# Allegro board SDHCalFEB_old.brd
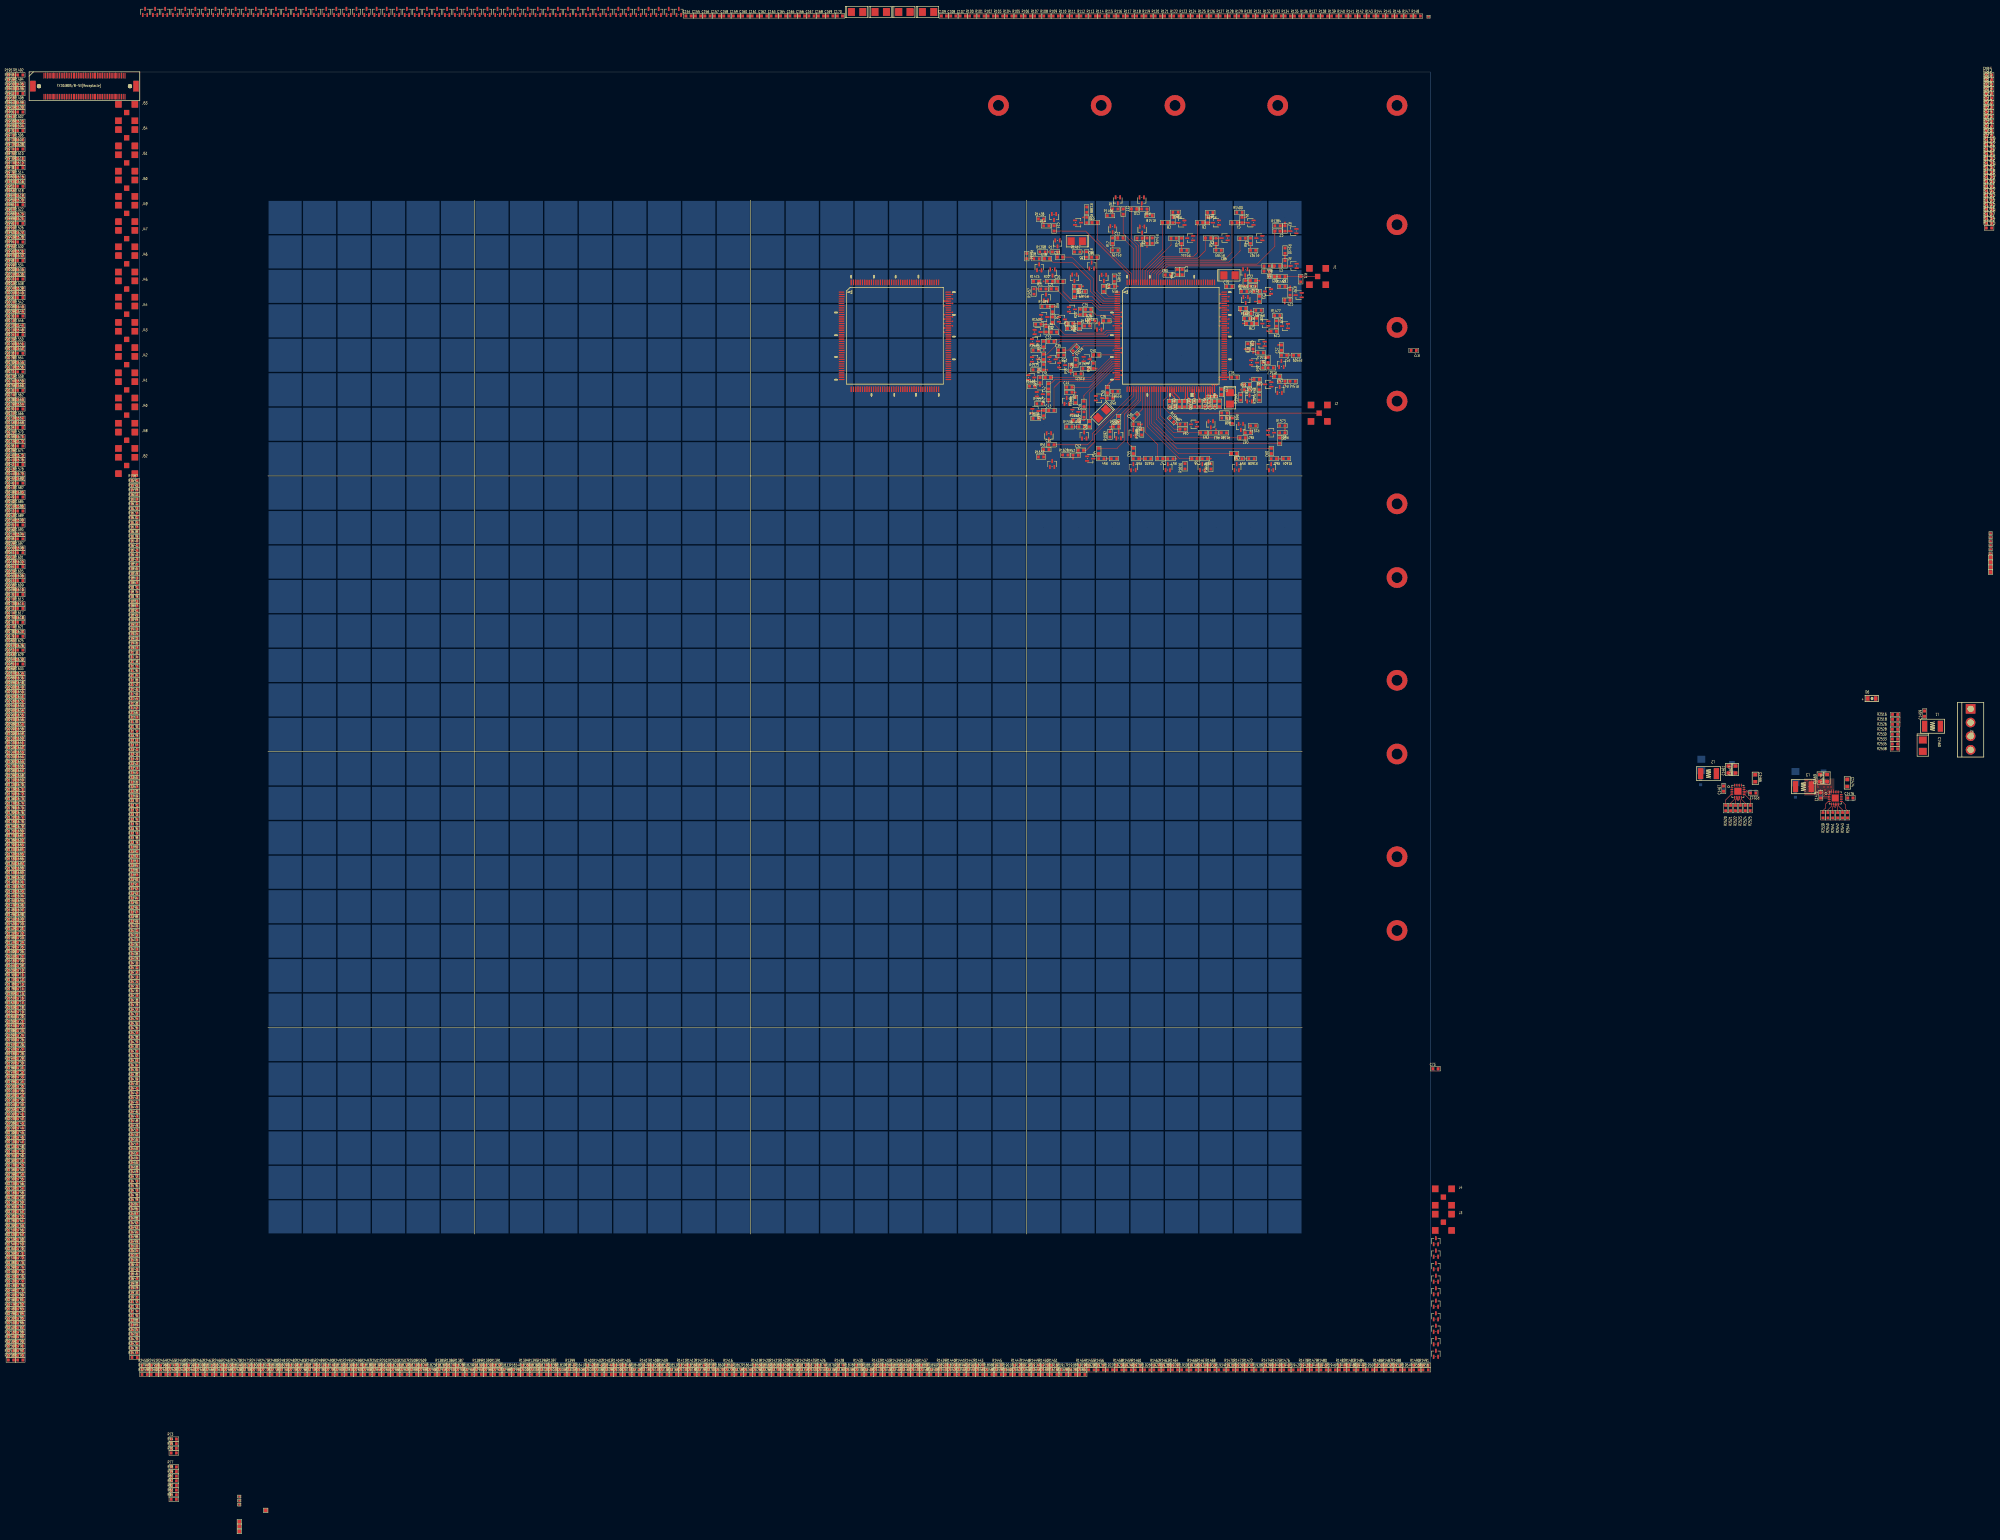
[diagram p0: board, top side]
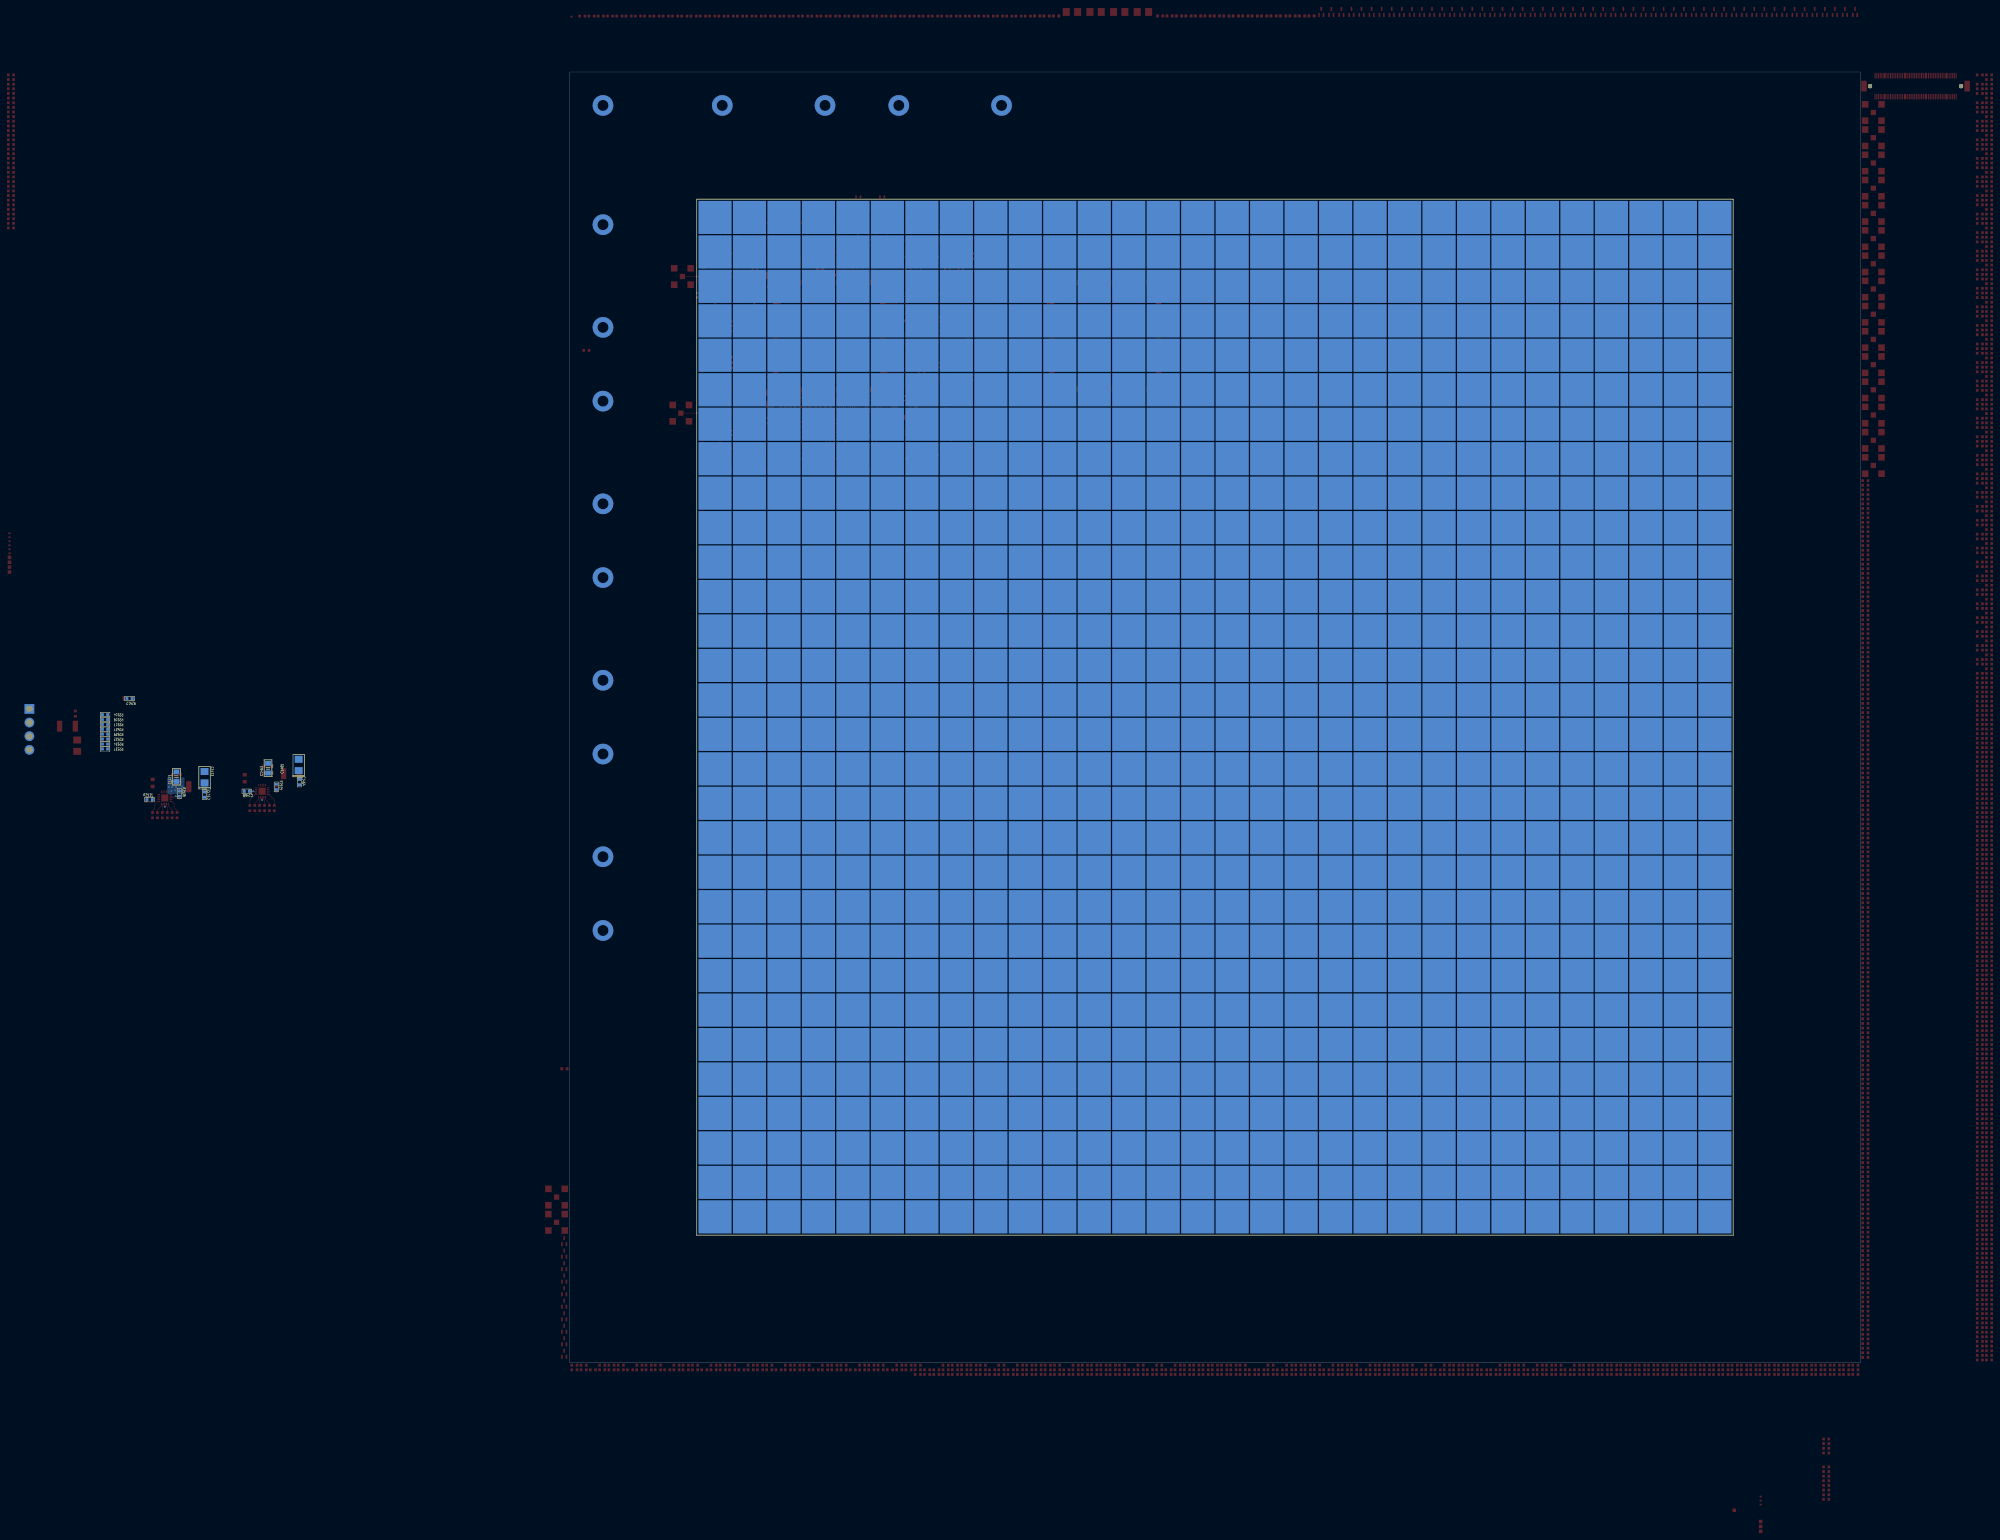
[diagram p1: board, bottom side, seen from below]

Outline 374.4 x 374.4 mm; copper layers: TOP, GND1, POWER1, SIG1, SIG2, GND2, POWER2, SIG3, GND3, BOTTOM. Coordinates in mm from the lower left corner of the outline.
Outline path: 0,374.4 0,0 374.4,0 374.4,374.4 0,374.4

## Design rules (mm)
net group ANALOGIN: nets ANALOGIN N1665546130
net group CK_5: nets CK_5N CK_5P
net group CK_40: nets CK_40N CK_40P
net group CLK_5_A: nets CK_5N_A CK_5P_A
net group CLK_5_B: nets CK_5N_B CK_5P_B
net group CLK_5_C: nets CK_5N_C CK_5P_C
net group CLK_5_D: nets CK_5N_D CK_5P_D
net group CLK_40_A: nets CK_40N_A CK_40P_A
net group CLK_40_B: nets CK_40N_B CK_40P_B
net group CLK_40_C: nets CK_40N_C CK_40P_C
net group CLK_40_D: nets CK_40N_D CK_40P_D
net group OUTHV: nets N16632302 OUTHV
net group RAZ_CHN: nets RAZ_CHNN RAZ_CHNP
net group RAZ_CHN_A: nets RAZ_CHNN_A RAZ_CHNP_A
net group RAZ_CHN_B: nets RAZ_CHNN_B RAZ_CHNP_B
net group RAZ_CHN_C: nets RAZ_CHNN_C RAZ_CHNP_C
net group RAZ_CHN_D: nets RAZ_CHNN_D RAZ_CHNP_D
net group VAL_EVT: nets VAL_EVTN VAL_EVTP
net group VAL_EVT_A: nets VAL_EVTN_A VAL_EVTP_A
net group VAL_EVT_B: nets VAL_EVTN_B VAL_EVTP_B
net group VAL_EVT_C: nets VAL_EVTN_C VAL_EVTP_C
net group VAL_EVT_D: nets VAL_EVTN_D VAL_EVTP_D
net group REF_2.5V: nets REF_2.5V V_BG_A V_BG_B V_BG_C V_BG_D
net group VCC5.0V_CON_IN: nets N16629690 N16629718 N16632314 N16632330 N16632396 N16632400 N16654329 N16654333 VCC5.0V_CON_IN

## Placement (name value [footprint] x y rotation side)
C1  10nF  [SC0603]  329.91 318.13 180 top
C2  10nF  [SC0603]  330.04 328.23 180 top
C3  10nF  [SC0603]  319.93 326.18 180 top
C4  10nF  [SC0603]  317.59 330.67 180 top
C5  10nF  [SC0603]  309.89 326.21 180 top
C6  10nF  [SC0603]  307.58 330.67 180 top
C7  10nF  [SC0603]  299.91 326.17 180 top
C8  10nF  [SC0603]  297.42 330.68 180 top
C9  10nF  [SC0603]  290.03 326.22 180 top
C10  10nF  [SC0603]  288.43 334.64 180 top
C11  10nF  [SC0603]  285.25 333.9 270 top
C12  10nF  [SC0603]  284.47 326.23 0 top
C13  10nF  [SC0603]  277 330.69 0 top
C14  10nF  [SC0603]  265.22 329.02 270 top
C15  10nF  [SC0603]  279.66 311.44 270 top
C16  10nF  [SC0603]  276.9 320.67 0 top
C17  10nF  [SC0603]  266.97 320.7 0 top
C18  10nF  [SC0603]  263.18 320.21 0 top
C19  10nF  [SC0603]  271.12 309.97 270 top
C20  10nF  [SC0603]  267.07 313.67 0 top
C21  10nF  [SC0603]  265.14 311.45 0 top
C22  10nF  [SC0603]  322.92 313.85 0 top
C23  10nF  [SC0603]  324.76 308.55 270 top
C24  10nF  [SC0603]  332.91 308.2 180 top
C25  10nF  [SC0603]  275.12 305.55 0 top
C26  10nF  [SC0603]  280.36 302.21 0 top
C27  10nF  [SC0603]  320.05 305.77 180 top
C28  10nF  [SC0603]  321.78 301.42 180 top
C29  10nF  [SC0603]  328.94 299.2 180 top
C30  10nF  [SC0603]  269.86 299.99 0 top
C31  10nF  [SC0603]  264.77 302.55 270 top
C32  10nF  [SC0603]  265.19 298.95 0 top
C33  10nF  [SC0603]  264.45 296.22 0 top
C34  10nF  [SC0603]  262.19 291.76 90 top
C35  10nF  [SC0603]  267.25 293.7 0 top
C36  10nF  [SC0603]  271.56 290.08 90 top
C37  10nF  [SC0603]  331.19 294.45 90 top
C38  10nF  [SC0603]  321.45 294.78 270 top
C39  10nF  [SC0603]  327.28 290.87 90 top
C40  10nF  [SC0603]  277.43 292.31 0 top
C41  10nF  [SC0603]  263.41 285.74 0 top
C42  10nF  [SC0603]  263.6 283.17 90 top
C43  10nF  [SC0603]  264.45 276.19 0 top
C44  10nF  [SC0603]  269.66 282.93 0 top
C45  10nF  [SC0603]  273.9 278.09 90 top
C46  10nF  [SC0603]  275.48 272.22 90 top
C47  10nF  [SC0603]  329.91 286.11 180 top
C48  10nF  [SC0603]  323.99 285.21 180 top
C49  10nF  [SC0603]  321.15 283.7 180 top
C50  10nF  [SC0603]  280.68 282.05 90 top
C51  10nF  [SC0603]  264.48 266.22 0 top
C52  10nF  [SC0603]  273.01 264.66 0 top
C53  10nF  [SC0603]  283.97 273.7 90 top
C54  10nF  [SC0603]  278.19 264.45 90 top
C55  10nF  [SC0603]  288.21 264.45 90 top
C56  10nF  [SC0603]  288.73 274.48 45 top
C57  10nF  [SC0603]  296.02 262.2 180 top
C58  10nF  [SC0603]  305.96 262.19 180 top
C59  10nF  [SC0603]  317.44 263.7 180 top
C60  10nF  [SC0603]  328.21 264.45 90 top
C61  10nF  [SC0603]  330.67 267.47 270 top
C62  10nF  [SC0603]  319.93 268.25 180 top
C63  10nF  [SC0603]  308.45 269.71 180 top
C64  10nF  [SC0603]  302.5 270.76 180 top
C65  10pF 1%  [SC0603]  328.41 315.06 180 top
C66  10pF 1%  [SC0603]  331.46 315.04 180 top
C67  0.1uF  [SC0603]  300.18 278.06 90 top
C68  0.1uF  [SC0603]  301.62 278.06 90 top
C69  0.1uF  [SC0603]  306.05 278.08 90 top
C70  0.1uF  [SC0603]  302.37 316.35 270 top
C71  0.1uF  [SC0603]  313.19 278.11 90 top
C72  0.1uF  [SC0603]  310.38 278.11 90 top
C73  0.1uF  [SC0603]  375.87 85.16 0 top
C74  0.1uF  [SC0603]  311.78 278.11 90 top
C75  0.1uF  [SC0603]  316.06 312.14 0 top
C76  0.1uF  [SC0603]  317.55 285.83 0 top
C77  0.1uF  [SC0603]  313.76 281.58 270 top
C78  0.1uF  [SC0603]  300.96 316.36 90 top
C79  0.1uF  [SC0603]  308.96 278.1 270 top
C80  0.1uF  [SC0603]  298.23 315.5 0 top
C81  0.1uF  [SC0603]  298.72 278.05 270 top
C82  0.1uF  [SC0603]  303.03 278.05 270 top
C83  0.1uF  [SC0603]  304.59 278.08 270 top
C84  10uF  [STC3528]  279.15 275.24 225 top
C85  10uF  [STC3528]  271.8 325.29 180 top
C86  10uF  [STC3528]  316.11 315.4 0 top
C87  10uF  [STC3528]  316.24 279.7 270 top
C107  10nF  [SC0603]  238.76 390.66 0 top
C108  10nF  [SC0603]  236.02 390.66 0 top
C109  10nF  [SC0603]  233.27 390.66 0 top
C154  0.1uF  [SC0603]  159.21 390.66 0 top
C155  0.1uF  [SC0603]  161.95 390.66 0 top
C156  0.1uF  [SC0603]  164.69 390.66 0 top
C157  0.1uF  [SC0603]  167.44 390.66 0 top
C158  0.1uF  [SC0603]  170.18 390.66 0 top
C159  0.1uF  [SC0603]  172.92 390.66 0 top
C160  0.1uF  [SC0603]  175.67 390.66 0 top
C161  0.1uF  [SC0603]  178.41 390.66 0 top
C162  0.1uF  [SC0603]  181.15 390.66 0 top
C163  0.1uF  [SC0603]  183.9 390.66 0 top
C164  0.1uF  [SC0603]  186.64 390.66 0 top
C165  0.1uF  [SC0603]  189.38 390.66 0 top
C166  0.1uF  [SC0603]  192.13 390.66 0 top
C167  0.1uF  [SC0603]  194.87 390.66 0 top
C168  0.1uF  [SC0603]  197.61 390.66 0 top
C169  0.1uF  [SC0603]  200.36 390.66 0 top
C170  0.1uF  [SC0603]  203.1 390.66 0 top
C171  10uF  [STC3528]  208.1 391.82 0 top
C172  10uF  [STC3528]  214.96 391.82 0 top
C173  10uF  [STC3528]  221.82 391.82 0 top
C174  10uF  [STC3528]  228.68 391.82 0 top
C1459  0.1uF  [SC0603]  517.73 188.21 90 top
C1460  10uF  [STC3528]  517.19 178.92 270 top
C1461  10uF  [SC0805]  460.86 172 90 top
C1462  10uF  [SC0805]  462.86 172 90 top
C1463  47uF  [SC1206]  461.85 172.39 90 bottom
C1464  0.1uF  [SC0603]  452.75 168.35 270 bottom
C1465  10uF  [STC3528]  452.96 173.33 90 bottom
C1466  47uF  [SC0805]  468.6 169.47 270 top
C1467  0.1uF  [SC0603]  459.44 166.46 90 top
C1468  0.1uF  [SC0603]  468 165.71 0 bottom
C1469  10uF  [SC0805]  487.43 169.54 90 top
C1470  10uF  [SC0805]  489.43 169.54 90 top
C1471  47uF  [SC1206]  488.42 169.93 90 bottom
C1472  0.1uF  [SC0603]  480.26 164.72 270 bottom
C1473  10uF  [STC3528]  480.26 169.77 90 bottom
C1474  47uF  [SC0805]  495.3 168.1 270 top
C1475  0.1uF  [SC0603]  487.58 164.52 90 top
C1476  0.1uF  [SC0603]  496.18 163.75 0 top
D6  Green  [SD0805]  502.38 192.61 0 top
J1  -  [SMA_SMD]  341.66 315.06 0 top
J2  -  [SMA_SMD]  342.12 275.41 0 top
J3  -  [SMA_SMD]  378.16 40.63 0 top
J4  -  [SMA_SMD]  378.16 47.94 0 top
J40  SMA  [SMA_SMD]  -3.76 274.86 0 top
J41  SMA  [SMA_SMD]  -3.76 282.17 0 top
J42  SMA  [SMA_SMD]  -3.76 289.49 0 top
J43  SMA  [SMA_SMD]  -3.76 296.8 0 top
J44  SMA  [SMA_SMD]  -3.76 304.12 0 top
J45  SMA  [SMA_SMD]  -3.76 311.43 0 top
J46  SMA  [SMA_SMD]  -3.76 318.75 0 top
J47  SMA  [SMA_SMD]  -3.76 326.06 0 top
J48  SMA  [SMA_SMD]  -3.76 267.54 0 top
J49  SMA  [SMA_SMD]  -3.76 333.38 0 top
J50  SMA  [SMA_SMD]  -3.76 340.69 0 top
J51  SMA  [SMA_SMD]  -3.76 348.01 0 top
J52  SMA  [SMA_SMD]  -3.76 260.22 0 top
J53  SMA  [SMA_SMD]  -3.76 362.64 0 top
J54  SMA  [SMA_SMD]  -3.76 355.32 0 top
J55  DC Jack  [SIP-4P-156]  531.06 183.65 270 top
L1  10uH  [SL1812]  520.02 184.57 180 top
L2  10uH  [SL1812]  455.05 170.8 180 top
L3  10uH  [SL1812]  482.56 167.02 180 top
NOREF  -  []  374.4 0 90 top
NOREF#2  -  []  0 374.4 0 top
P1  Pad30x30V2  [PADREADOUTARRAY1V1]  337.2 37.2 180 bottom
R1  100  [SR0603]  332.2 318.89 270 top
R2  100  [SR0603]  332.2 329 270 top
R3  100  [SR0603]  322.2 325.43 90 top
R4  100  [SR0603]  319.76 331.44 270 top
R5  100  [SR0603]  312.19 325.44 90 top
R6  100  [SR0603]  309.76 331.43 270 top
R7  100  [SR0603]  302.21 325.41 90 top
R8  100  [SR0603]  299.7 331.43 270 top
R9  100  [SR0603]  292.2 325.46 90 top
R10  100  [SR0603]  291.44 334.65 180 top
R11  100  [SR0603]  282.96 334.67 0 top
R12  100  [SR0603]  282.2 325.45 90 top
R13  100  [SR0603]  274.7 331.44 270 top
R14  100  [SR0603]  262.94 329.76 0 top
R15  100  [SR0603]  281.94 312.2 180 top
R16  100  [SR0603]  274.65 321.43 270 top
R17  100  [SR0603]  265.46 322.19 0 top
R18  100  [SR0603]  260.15 320.21 0 top
R19  100  [SR0603]  271.9 312.2 180 top
R20  100  [SR0603]  264.04 313.66 0 top
R21  100  [SR0603]  262.13 311.45 0 top
R22  100  [SR0603]  320.68 313.08 90 top
R23  100  [SR0603]  324.01 310.71 0 top
R24  100  [SR0603]  333.68 310.43 270 top
R25  100  [SR0603]  272.85 304.78 90 top
R26  100  [SR0603]  276.33 302.2 0 top
R27  100  [SR0603]  321.59 304.3 180 top
R28  100  [SR0603]  323.97 302.18 270 top
R29  100  [SR0603]  329.71 301.44 270 top
R30  100  [SR0603]  269.87 301.45 180 top
R31  100  [SR0603]  264.77 305.58 270 top
R32  100  [SR0603]  262.94 299.72 270 top
R33  100  [SR0603]  262.18 295.46 90 top
R34  100  [SR0603]  262.18 288.75 90 top
R35  100  [SR0603]  267.25 292.26 180 top
R36  100  [SR0603]  270.06 288.55 90 top
R37  100  [SR0603]  331.95 292.21 180 top
R38  100  [SR0603]  322.94 294.77 90 top
R39  100  [SR0603]  325.76 289.34 90 top
R40  100  [SR0603]  276.61 289.13 90 top
R41  100  [SR0603]  261.17 284.99 90 top
R42  100  [SR0603]  263.61 280.14 90 top
R43  100  [SR0603]  262.18 275.42 90 top
R44  100  [SR0603]  269.67 281.46 180 top
R45  100  [SR0603]  273.89 275.04 90 top
R46  100  [SR0603]  273.21 271.45 0 top
R47  100  [SR0603]  331.43 284.65 180 top
R48  100  [SR0603]  324.74 282.97 90 top
R49  100  [SR0603]  321.14 282.2 0 top
R50  100  [SR0603]  281.44 279.75 180 top
R51  100  [SR0603]  262.95 264.82 0 top
R52  100  [SR0603]  271.49 263.2 0 top
R53  100  [SR0603]  283.2 271.45 0 top
R54  100  [SR0603]  278.96 262.2 180 top
R55  100  [SR0603]  288.99 262.2 180 top
R56  100  [SR0603]  288.96 272.21 180 top
R57  100  [SR0603]  298.97 262.2 180 top
R58  100  [SR0603]  308.98 262.2 180 top
R59  100  [SR0603]  318.96 262.2 180 top
R60  100  [SR0603]  328.97 262.2 180 top
R61  100  [SR0603]  331.43 269.72 180 top
R62  100  [SR0603]  321.45 269.74 180 top
R63  100  [SR0603]  311.44 269.69 180 top
R64  100  [SR0603]  302.5 272.19 0 top
R65  0  [SR0603]  326.89 318.13 180 top
R66  x  [SR0603]  326.89 316.58 180 top
R67  x  [SR0603]  307.5 278.09 270 top
R68  0  [SR0603]  314.64 273.99 180 top
R69  x  [SR0603]  316.89 273.22 270 top
R70  x  [SR0603]  314.64 275.43 180 top
R71  50  [SR0603]  336.78 314.29 270 top
R72  50  [SR0603]  369.53 293.62 180 top
R73  x  [SR0603]  9.92 -22.27 0 top
R74  x  [SR0603]  9.92 -23.62 0 top
R75  x  [SR0603]  9.92 -24.96 0 top
R76  x  [SR0603]  9.92 -26.31 0 top
R77  10k  [SR0603]  9.92 -30.35 0 top
R78  10k  [SR0603]  9.92 -31.7 0 top
R79  10k  [SR0603]  9.92 -33.04 0 top
R80  10k  [SR0603]  9.92 -34.39 0 top
R81  10k  [SR0603]  9.92 -35.73 0 top
R82  10k  [SR0603]  9.92 -37.08 0 top
R83  10k  [SR0603]  9.92 -38.43 0 top
R84  10k  [SR0603]  9.92 -39.77 0 top
R85  100  [SR0603]  536.42 373.56 0 top
R86  100  [SR0603]  536.42 372.22 0 top
R87  100  [SR0603]  536.42 370.87 0 top
R88  100  [SR0603]  536.42 369.52 0 top
R89  100  [SR0603]  536.42 368.18 0 top
R90  100  [SR0603]  536.42 366.83 0 top
R91  100  [SR0603]  536.42 365.48 0 top
R92  100  [SR0603]  536.42 364.14 0 top
R93  100  [SR0603]  536.42 362.79 0 top
R94  100  [SR0603]  536.42 361.45 0 top
R95  100  [SR0603]  536.42 360.1 0 top
R96  100  [SR0603]  536.42 358.75 0 top
R97  100  [SR0603]  536.42 357.41 0 top
R98  100  [SR0603]  536.42 356.06 0 top
R99  100  [SR0603]  536.42 354.71 0 top
R100  100  [SR0603]  241.48 390.63 0 top
R101  100  [SR0603]  244.17 390.63 0 top
R102  100  [SR0603]  246.86 390.63 0 top
R103  100  [SR0603]  249.56 390.63 0 top
R104  100  [SR0603]  252.25 390.63 0 top
R105  100  [SR0603]  254.94 390.63 0 top
R106  100  [SR0603]  257.63 390.63 0 top
R107  100  [SR0603]  260.32 390.63 0 top
R108  100  [SR0603]  263.02 390.63 0 top
R109  100  [SR0603]  265.71 390.63 0 top
R110  100  [SR0603]  268.4 390.63 0 top
R111  100  [SR0603]  271.09 390.63 0 top
R112  100  [SR0603]  273.79 390.63 0 top
R113  100  [SR0603]  276.48 390.63 0 top
R114  100  [SR0603]  279.17 390.63 0 top
R115  100  [SR0603]  281.86 390.63 0 top
R116  100  [SR0603]  284.56 390.63 0 top
R117  100  [SR0603]  287.25 390.63 0 top
R118  100  [SR0603]  289.94 390.63 0 top
R119  100  [SR0603]  292.63 390.63 0 top
R120  100  [SR0603]  295.33 390.63 0 top
R121  100  [SR0603]  298.02 390.63 0 top
R122  100  [SR0603]  300.71 390.63 0 top
R123  100  [SR0603]  303.4 390.63 0 top
R124  100  [SR0603]  306.1 390.63 0 top
R125  100  [SR0603]  308.79 390.63 0 top
R126  100  [SR0603]  311.48 390.63 0 top
R127  100  [SR0603]  314.17 390.63 0 top
R128  100  [SR0603]  316.87 390.63 0 top
R129  100  [SR0603]  319.56 390.63 0 top
R130  100  [SR0603]  322.25 390.63 0 top
R131  100  [SR0603]  324.94 390.63 0 top
R132  100  [SR0603]  327.63 390.63 0 top
R133  100  [SR0603]  330.33 390.63 0 top
R134  100  [SR0603]  333.02 390.63 0 top
R135  100  [SR0603]  335.71 390.63 0 top
R136  100  [SR0603]  338.4 390.63 0 top
R137  100  [SR0603]  341.1 390.63 0 top
R138  100  [SR0603]  343.79 390.63 0 top
R139  100  [SR0603]  346.48 390.63 0 top
R140  100  [SR0603]  349.17 390.63 0 top
R141  100  [SR0603]  351.87 390.63 0 top
R142  100  [SR0603]  354.56 390.63 0 top
R143  100  [SR0603]  357.25 390.63 0 top
R144  100  [SR0603]  359.94 390.63 0 top
R145  100  [SR0603]  362.64 390.63 0 top
R146  100  [SR0603]  365.33 390.63 0 top
R147  100  [SR0603]  368.02 390.63 0 top
R148  100  [SR0603]  370.71 390.63 0 top
R149  0  [SR0603]  536.42 353.37 0 top
R150  x  [SR0603]  536.42 350.68 0 top
R151  x  [SR0603]  536.42 349.33 0 top
R152  0  [SR0603]  536.42 352.02 0 top
R153  x  [SR0603]  536.42 347.98 0 top
R154  50  [SR0603]  536.42 330.48 0 top
R155  50  [SR0603]  536.42 329.14 0 top
R156  x  [SR0603]  536.42 346.64 0 top
R157  x  [SR0603]  536.42 345.29 0 top
R158  x  [SR0603]  536.42 343.95 0 top
R159  x  [SR0603]  536.42 342.6 0 top
R160  x  [SR0603]  536.42 341.25 0 top
R161  x  [SR0603]  536.42 339.91 0 top
R162  x  [SR0603]  536.42 338.56 0 top
R163  x  [SR0603]  536.42 337.21 0 top
R164  x  [SR0603]  536.42 335.87 0 top
R165  x  [SR0603]  536.42 334.52 0 top
R166  x  [SR0603]  536.42 333.18 0 top
R167  x  [SR0603]  536.42 331.83 0 top
R1384  1M  [SR0603]  330.05 329.77 0 top
R1385  1M  [SR0603]  87.6 -0.84 0 top
R1386  1M  [SR0603]  90.3 -0.84 0 top
R1387  1M  [SR0603]  92.99 -0.84 0 top
R1388  1M  [SR0603]  274.7 334.47 270 top
R1389  1M  [SR0603]  98.37 -0.84 0 top
R1390  1M  [SR0603]  101.07 -0.84 0 top
R1391  1M  [SR0603]  103.76 -0.84 0 top
R1392  1M  [SR0603]  322.96 322.66 180 top
R1393  1M  [SR0603]  312.95 322.66 180 top
R1394  1M  [SR0603]  111.84 -0.84 0 top
R1395  1M  [SR0603]  114.53 -0.84 0 top
R1396  1M  [SR0603]  117.22 -0.84 0 top
R1397  1M  [SR0603]  119.91 -0.84 0 top
R1398  1M  [SR0603]  261.87 322.2 0 top
R1399  1M  [SR0603]  125.3 -0.84 0 top
R1400  1M  [SR0603]  319 333.63 0 top
R1401  1M  [SR0603]  130.68 -0.84 0 top
R1402  1M  [SR0603]  133.38 -0.84 0 top
R1403  1M  [SR0603]  136.07 -0.84 0 top
R1404  1M  [SR0603]  138.76 -0.84 0 top
R1405  1M  [SR0603]  141.45 -0.84 0 top
R1406  1M  [SR0603]  281.43 332.71 0 top
R1407  1M  [SR0603]  146.84 -0.84 0 top
R1408  1M  [SR0603]  149.53 -0.84 0 top
R1409  1M  [SR0603]  152.22 -0.84 0 top
R1410  1M  [SR0603]  332.21 322.55 270 top
R1411  1M  [SR0603]  157.61 -0.84 0 top
R1412  1M  [SR0603]  160.3 -0.84 0 top
R1413  1M  [SR0603]  162.99 -0.84 0 top
R1414  1M  [SR0603]  165.68 -0.84 0 top
R1415  1M  [SR0603]  282.96 322.71 180 top
R1416  1M  [SR0603]  171.07 -0.84 0 top
R1417  1M  [SR0603]  271.93 322.2 0 top
R1418  1M  [SR0603]  292.96 332.74 180 top
R1419  1M  [SR0603]  179.15 -0.84 0 top
R1420  1M  [SR0603]  181.84 -0.84 0 top
R1421  1M  [SR0603]  184.53 -0.84 0 top
R1422  1M  [SR0603]  187.22 -0.84 0 top
R1423  1M  [SR0603]  189.92 -0.84 0 top
R1424  1M  [SR0603]  192.61 -0.84 0 top
R1425  1M  [SR0603]  195.3 -0.84 0 top
R1426  1M  [SR0603]  197.99 -0.84 0 top
R1427  1M  [SR0603]  322.91 312.32 180 top
R1428  1M  [SR0603]  203.38 -0.84 0 top
R1429  1M  [SR0603]  310.51 333.6 180 top
R1430  1M  [SR0603]  208.76 -0.84 0 top
R1431  1M  [SR0603]  300.46 333.71 180 top
R1432  1M  [SR0603]  214.15 -0.84 0 top
R1433  1M  [SR0603]  216.84 -0.84 0 top
R1434  1M  [SR0603]  219.53 -0.84 0 top
R1435  1M  [SR0603]  222.22 -0.84 0 top
R1436  1M  [SR0603]  224.92 -0.84 0 top
R1437  1M  [SR0603]  227.61 -0.84 0 top
R1438  1M  [SR0603]  261.44 331.75 0 top
R1439  1M  [SR0603]  232.99 -0.84 0 top
R1440  1M  [SR0603]  235.69 -0.84 0 top
R1441  1M  [SR0603]  238.38 -0.84 0 top
R1442  1M  [SR0603]  241.07 -0.84 0 top
R1443  1M  [SR0603]  243.76 -0.84 0 top
R1444  1M  [SR0603]  302.97 322.66 180 top
R1445  1M  [SR0603]  249.15 -0.84 0 top
R1446  1M  [SR0603]  293.7 325.48 270 top
R1447  1M  [SR0603]  254.53 -0.84 0 top
R1448  1M  [SR0603]  257.23 -0.84 0 top
R1449  1M  [SR0603]  259.92 -0.84 0 top
R1450  1M  [SR0603]  262.61 -0.84 0 top
R1451  1M  [SR0603]  265.3 -0.84 0 top
R1452  1M  [SR0603]  331.44 312.19 0 top
R1453  1M  [SR0603]  320.37 310.72 0 top
R1454  1M  [SR0603]  273.38 -0.84 0 top
R1455  1M  [SR0603]  276.07 -0.84 0 top
R1456  1M  [SR0603]  278.76 -0.84 0 top
R1457  1M  [SR0603]  259.38 310.69 90 top
R1458  1M  [SR0603]  284.15 -0.84 0 top
R1459  1M  [SR0603]  286.84 -0.84 0 top
R1460  1M  [SR0603]  289.53 -0.84 0 top
R1461  1M  [SR0603]  257.33 320.98 270 top
R1462  1M  [SR0603]  294.92 -0.84 0 top
R1463  1M  [SR0603]  297.61 -0.84 0 top
R1464  1M  [SR0603]  300.3 -0.84 0 top
R1465  1M  [SR0603]  282.7 314.4 270 top
R1466  1M  [SR0603]  305.69 -0.84 0 top
R1467  1M  [SR0603]  308.38 -0.84 0 top
R1468  1M  [SR0603]  311.07 -0.84 0 top
R1469  1M  [SR0603]  273.43 310.72 180 top
R1470  1M  [SR0603]  316.46 -0.84 0 top
R1471  1M  [SR0603]  319.15 -0.84 0 top
R1472  1M  [SR0603]  321.84 -0.84 0 top
R1473  1M  [SR0603]  260.02 313.66 0 top
R1474  1M  [SR0603]  327.23 -0.84 0 top
R1475  1M  [SR0603]  329.92 -0.84 0 top
R1476  1M  [SR0603]  332.61 -0.84 0 top
R1477  1M  [SR0603]  329.97 303.71 0 top
R1478  1M  [SR0603]  338 -0.84 0 top
R1479  1M  [SR0603]  340.69 -0.84 0 top
R1480  1M  [SR0603]  343.38 -0.84 0 top
R1481  1M  [SR0603]  321.18 302.87 0 top
R1482  1M  [SR0603]  348.77 -0.84 0 top
R1483  1M  [SR0603]  351.46 -0.84 0 top
R1484  1M  [SR0603]  354.15 -0.84 0 top